# KiCad board panel.kicad_pcb
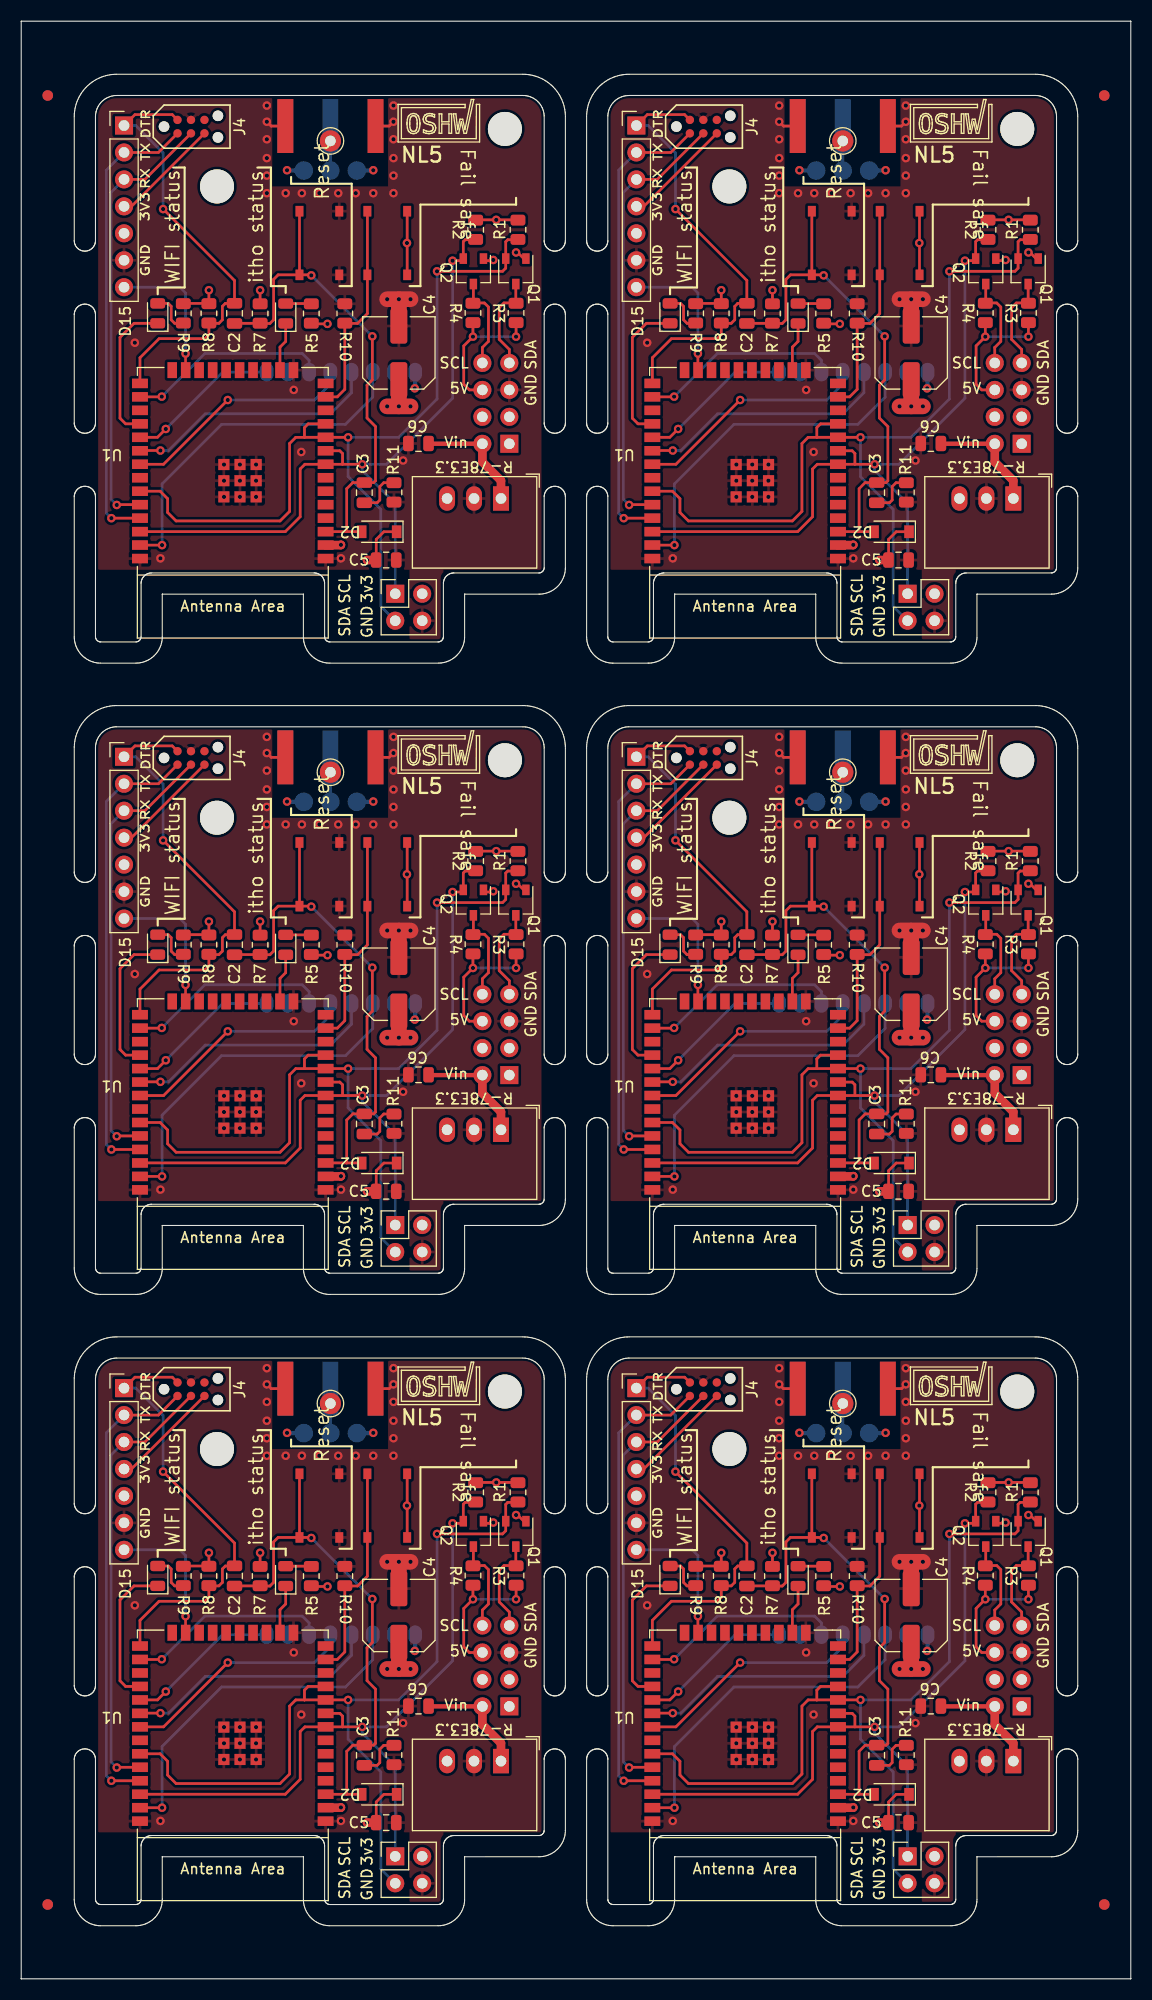
[diagram p0: board, top side]
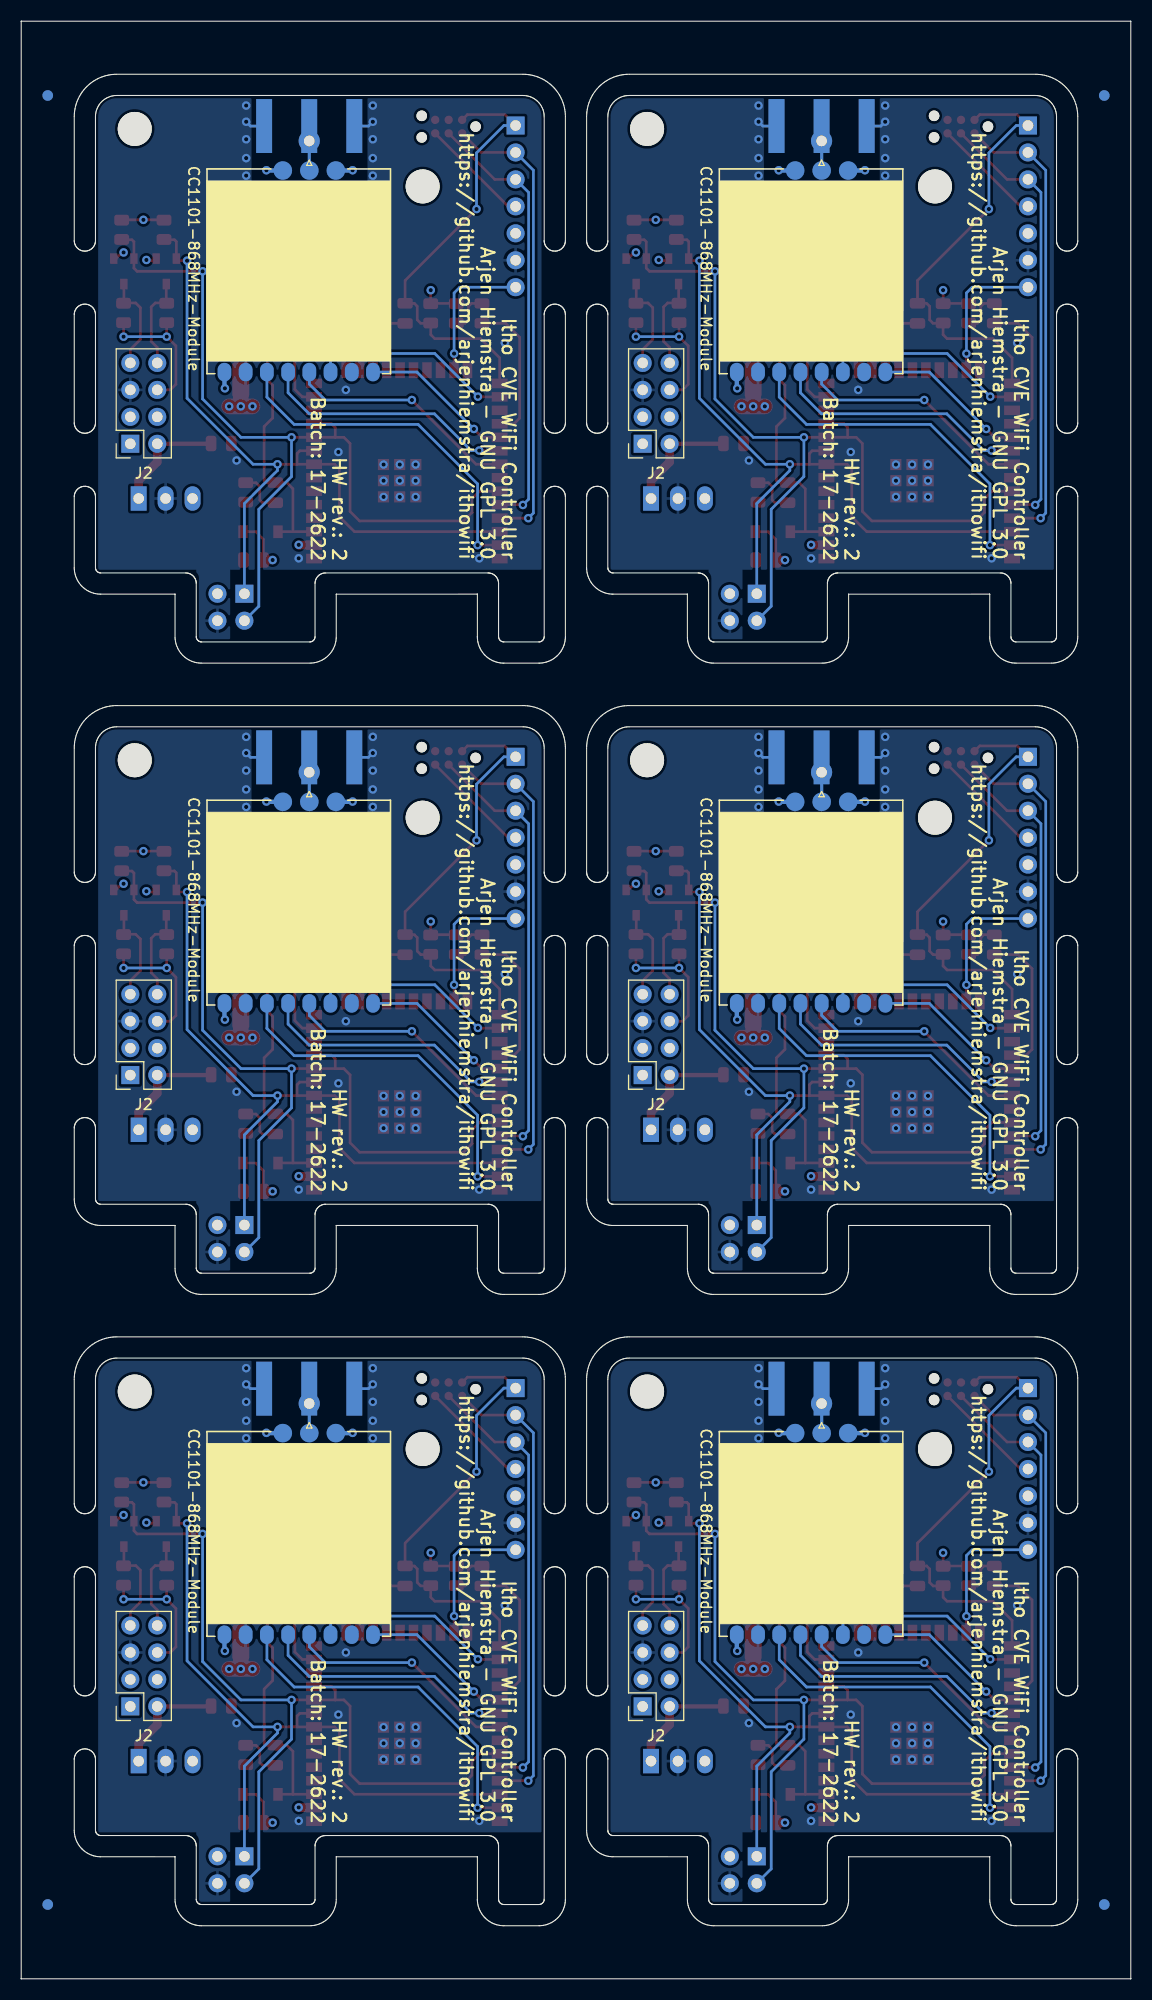
[diagram p1: board, bottom side, seen from below]

Outline 104.6 x 184.5 mm; copper layers: Top, In1.Cu, In2.Cu, Bottom. Coordinates in mm from the lower left corner of the outline.

## Placement (name value [footprint] x y rotation side)
C2  1uF  [C_0805_2012Metric]  68.41 156.97 90 top
C2#2  1uF  [C_0805_2012Metric]  20.11 156.97 90 top
C2#3  1uF  [C_0805_2012Metric]  20.11 97.47 90 top
C2#4  1uF  [C_0805_2012Metric]  68.41 97.47 90 top
C2#5  1uF  [C_0805_2012Metric]  68.41 37.97 90 top
C2#6  1uF  [C_0805_2012Metric]  20.11 37.97 90 top
C3  10uF  [C_0805_2012Metric]  80.65 21.07 90 top
C3#2  10uF  [C_0805_2012Metric]  80.65 80.57 90 top
C3#3  10uF  [C_0805_2012Metric]  80.65 140.07 90 top
C3#4  10uF  [C_0805_2012Metric]  32.35 21.07 90 top
C3#5  10uF  [C_0805_2012Metric]  32.35 80.57 90 top
C3#6  10uF  [C_0805_2012Metric]  32.35 140.07 90 top
C4  470uF  [C_Elec_6.3x7.7]  83.9 153.24 90 top
C4#2  470uF  [C_Elec_6.3x7.7]  35.6 34.24 90 top
C4#3  470uF  [C_Elec_6.3x7.7]  35.6 153.24 90 top
C4#4  470uF  [C_Elec_6.3x7.7]  35.6 93.74 90 top
C4#5  470uF  [C_Elec_6.3x7.7]  83.9 93.74 90 top
C4#6  470uF  [C_Elec_6.3x7.7]  83.9 34.24 90 top
C5  0.1uF  [C_0805_2012Metric]  82.7 133.72 0 top
C5#2  0.1uF  [C_0805_2012Metric]  82.7 74.22 0 top
C5#3  0.1uF  [C_0805_2012Metric]  34.4 74.22 0 top
C5#4  0.1uF  [C_0805_2012Metric]  34.4 14.72 0 top
C5#5  0.1uF  [C_0805_2012Metric]  82.7 14.72 0 top
C5#6  0.1uF  [C_0805_2012Metric]  34.4 133.72 0 top
C6  10uF  [C_0805_2012Metric]  85.75 144.7 180 top
C6#2  10uF  [C_0805_2012Metric]  37.45 25.7 180 top
C6#3  10uF  [C_0805_2012Metric]  37.45 144.7 180 top
C6#4  10uF  [C_0805_2012Metric]  85.75 85.2 180 top
C6#5  10uF  [C_0805_2012Metric]  85.75 25.7 180 top
C6#6  10uF  [C_0805_2012Metric]  37.45 85.2 180 top
D2  D_Schottky  [D_SOD-123]  33.74 136.38 180 top
D2#2  D_Schottky  [D_SOD-123]  82.04 17.38 180 top
D2#3  D_Schottky  [D_SOD-123]  33.74 76.88 180 top
D2#4  D_Schottky  [D_SOD-123]  33.74 17.38 180 top
D2#5  D_Schottky  [D_SOD-123]  82.04 76.88 180 top
D2#6  D_Schottky  [D_SOD-123]  82.04 136.38 180 top
H1  MountingHole_Pad  [Pin_D1.0mm_L10.0mm]  77.45 113.72 0 top
H1#2  MountingHole_Pad  [Pin_D1.0mm_L10.0mm]  29.15 54.22 0 top
H1#3  MountingHole_Pad  [Pin_D1.0mm_L10.0mm]  77.45 54.22 0 top
H1#4  MountingHole_Pad  [Pin_D1.0mm_L10.0mm]  29.15 113.72 0 top
H1#5  MountingHole_Pad  [Pin_D1.0mm_L10.0mm]  77.45 173.22 0 top
H1#6  MountingHole_Pad  [Pin_D1.0mm_L10.0mm]  29.15 173.22 0 top
H2  MountingHole  [MountingHole_2.5mm]  66.76 109.43 0 top
H2#2  MountingHole  [MountingHole_2.5mm]  18.46 168.93 0 top
H2#3  MountingHole  [MountingHole_2.5mm]  18.46 109.43 0 top
H2#4  MountingHole  [MountingHole_2.5mm]  66.76 168.93 0 top
H2#5  MountingHole  [MountingHole_2.5mm]  66.76 49.93 0 top
H2#6  MountingHole  [MountingHole_2.5mm]  18.46 49.93 0 top
H3  MountingHole  [MountingHole_2.5mm]  45.6 174.35 0 top
H3#2  MountingHole  [MountingHole_2.5mm]  93.9 114.85 0 top
H3#3  MountingHole  [MountingHole_2.5mm]  93.9 55.35 0 top
H3#4  MountingHole  [MountingHole_2.5mm]  45.6 55.35 0 top
H3#5  MountingHole  [MountingHole_2.5mm]  45.6 114.85 0 top
H3#6  MountingHole  [MountingHole_2.5mm]  93.9 174.35 0 top
J1  CONN_01X07  [PinHeader_1x07_P2.54mm_Vertical]  57.99 55.67 0 top
J1#2  CONN_01X07  [PinHeader_1x07_P2.54mm_Vertical]  57.99 174.67 0 top
J1#3  CONN_01X07  [PinHeader_1x07_P2.54mm_Vertical]  9.69 55.67 0 top
J1#4  CONN_01X07  [PinHeader_1x07_P2.54mm_Vertical]  9.69 115.17 0 top
J1#5  CONN_01X07  [PinHeader_1x07_P2.54mm_Vertical]  9.69 174.67 0 top
J1#6  CONN_01X07  [PinHeader_1x07_P2.54mm_Vertical]  57.99 115.17 0 top
J2  conn  [PinSocket_2x04_P2.54mm_Vertical]  94.31 144.67 0 bottom
J2#2  conn  [PinSocket_2x04_P2.54mm_Vertical]  94.31 25.67 0 bottom
J2#3  conn  [PinSocket_2x04_P2.54mm_Vertical]  94.31 85.17 0 bottom
J2#4  conn  [PinSocket_2x04_P2.54mm_Vertical]  46.02 85.17 0 bottom
J2#5  conn  [PinSocket_2x04_P2.54mm_Vertical]  46.02 25.67 0 bottom
J2#6  conn  [PinSocket_2x04_P2.54mm_Vertical]  46.02 144.67 0 bottom
J3  Conn_Coaxial  [SMA_Amphenol_132289_EdgeMount]  29.15 115.12 90 bottom
J3#2  Conn_Coaxial  [SMA_Amphenol_132289_EdgeMount]  77.45 115.12 90 bottom
J3#3  Conn_Coaxial  [SMA_Amphenol_132289_EdgeMount]  77.45 55.62 90 bottom
J3#4  Conn_Coaxial  [SMA_Amphenol_132289_EdgeMount]  77.45 174.62 90 bottom
J3#5  Conn_Coaxial  [SMA_Amphenol_132289_EdgeMount]  29.15 55.62 90 bottom
J3#6  Conn_Coaxial  [SMA_Amphenol_132289_EdgeMount]  29.15 174.62 90 bottom
J4  TC2030-MCP-NL  [TC2020-MCP-NL]  64.3 174.57 90 top
J4#2  TC2030-MCP-NL  [TC2020-MCP-NL]  16 115.07 90 top
J4#3  TC2030-MCP-NL  [TC2020-MCP-NL]  64.3 55.57 90 top
J4#4  TC2030-MCP-NL  [TC2020-MCP-NL]  16 55.57 90 top
J4#5  TC2030-MCP-NL  [TC2020-MCP-NL]  64.3 115.07 90 top
J4#6  TC2030-MCP-NL  [TC2020-MCP-NL]  16 174.57 90 top
J5  Conn_02x02_Odd_Even  [PinHeader_2x02_P2.54mm_Vertical]  83.56 11.54 0 top
J5#2  Conn_02x02_Odd_Even  [PinHeader_2x02_P2.54mm_Vertical]  83.56 130.54 0 top
J5#3  Conn_02x02_Odd_Even  [PinHeader_2x02_P2.54mm_Vertical]  83.56 71.04 0 top
J5#4  Conn_02x02_Odd_Even  [PinHeader_2x02_P2.54mm_Vertical]  35.26 11.54 0 top
J5#5  Conn_02x02_Odd_Even  [PinHeader_2x02_P2.54mm_Vertical]  35.26 71.04 0 top
J5#6  Conn_02x02_Odd_Even  [PinHeader_2x02_P2.54mm_Vertical]  35.26 130.54 0 top
LED1  WIFI status  [LED_0805_2012Metric]  61.17 156.97 90 top
LED1#2  WIFI status  [LED_0805_2012Metric]  12.87 97.47 90 top
LED1#3  WIFI status  [LED_0805_2012Metric]  12.87 37.97 90 top
LED1#4  WIFI status  [LED_0805_2012Metric]  61.17 37.97 90 top
LED1#5  WIFI status  [LED_0805_2012Metric]  12.87 156.97 90 top
LED1#6  WIFI status  [LED_0805_2012Metric]  61.17 97.47 90 top
LED2  itho status  [LED_0805_2012Metric]  73.23 37.95 90 top
LED2#2  itho status  [LED_0805_2012Metric]  24.93 156.95 90 top
LED2#3  itho status  [LED_0805_2012Metric]  73.23 97.45 90 top
LED2#4  itho status  [LED_0805_2012Metric]  73.23 156.95 90 top
LED2#5  itho status  [LED_0805_2012Metric]  24.93 97.45 90 top
LED2#6  itho status  [LED_0805_2012Metric]  24.93 37.95 90 top
Q1  BSS138  [SOT-23W]  46.62 41.93 270 top
Q1#2  BSS138  [SOT-23W]  46.62 160.93 270 top
Q1#3  BSS138  [SOT-23W]  94.92 160.93 270 top
Q1#4  BSS138  [SOT-23W]  46.62 101.43 270 top
Q1#5  BSS138  [SOT-23W]  94.92 101.43 270 top
Q1#6  BSS138  [SOT-23W]  94.92 41.93 270 top
Q2  BSS138  [SOT-23W]  90.93 101.43 270 top
Q2#2  BSS138  [SOT-23W]  90.93 41.93 270 top
Q2#3  BSS138  [SOT-23W]  42.63 160.93 270 top
Q2#4  BSS138  [SOT-23W]  42.63 101.43 270 top
Q2#5  BSS138  [SOT-23W]  42.63 41.93 270 top
Q2#6  BSS138  [SOT-23W]  90.93 160.93 270 top
R1  R10K  [R_0805_2012Metric]  95.13 164.84 90 top
R1#2  R10K  [R_0805_2012Metric]  95.13 105.34 90 top
R1#3  R10K  [R_0805_2012Metric]  46.83 164.84 90 top
R1#4  R10K  [R_0805_2012Metric]  95.13 45.84 90 top
R1#5  R10K  [R_0805_2012Metric]  46.83 45.84 90 top
R1#6  R10K  [R_0805_2012Metric]  46.83 105.34 90 top
R2  R10K  [R_0805_2012Metric]  91.14 105.34 270 top
R2#2  R10K  [R_0805_2012Metric]  42.84 105.34 270 top
R2#3  R10K  [R_0805_2012Metric]  42.84 164.84 270 top
R2#4  R10K  [R_0805_2012Metric]  91.14 164.84 270 top
R2#5  R10K  [R_0805_2012Metric]  42.84 45.84 270 top
R2#6  R10K  [R_0805_2012Metric]  91.14 45.84 270 top
R3  R10K  [R_0805_2012Metric]  94.95 97.51 270 top
R3#2  R10K  [R_0805_2012Metric]  94.95 157.01 270 top
R3#3  R10K  [R_0805_2012Metric]  46.65 97.51 270 top
R3#4  R10K  [R_0805_2012Metric]  94.95 38.01 270 top
R3#5  R10K  [R_0805_2012Metric]  46.65 38.01 270 top
R3#6  R10K  [R_0805_2012Metric]  46.65 157.01 270 top
R4  R10K  [R_0805_2012Metric]  42.59 97.51 270 top
R4#2  R10K  [R_0805_2012Metric]  90.89 157.01 270 top
R4#3  R10K  [R_0805_2012Metric]  42.59 38.01 270 top
R4#4  R10K  [R_0805_2012Metric]  42.59 157.01 270 top
R4#5  R10K  [R_0805_2012Metric]  90.89 38.01 270 top
R4#6  R10K  [R_0805_2012Metric]  90.89 97.51 270 top
R5  R100  [R_0805_2012Metric]  75.65 37.95 90 top
R5#2  R100  [R_0805_2012Metric]  27.35 156.95 90 top
R5#3  R100  [R_0805_2012Metric]  75.65 97.45 90 top
R5#4  R100  [R_0805_2012Metric]  75.65 156.95 90 top
R5#5  R100  [R_0805_2012Metric]  27.35 37.95 90 top
R5#6  R100  [R_0805_2012Metric]  27.35 97.45 90 top
R7  R10K  [R_0805_2012Metric]  22.52 37.95 90 top
R7#2  R10K  [R_0805_2012Metric]  70.82 37.95 90 top
R7#3  R10K  [R_0805_2012Metric]  22.52 97.45 90 top
R7#4  R10K  [R_0805_2012Metric]  22.52 156.95 90 top
R7#5  R10K  [R_0805_2012Metric]  70.82 97.45 90 top
R7#6  R10K  [R_0805_2012Metric]  70.82 156.95 90 top
R8  R10K  [R_0805_2012Metric]  17.69 156.97 90 top
R8#2  R10K  [R_0805_2012Metric]  17.69 97.47 90 top
R8#3  R10K  [R_0805_2012Metric]  65.99 37.97 90 top
R8#4  R10K  [R_0805_2012Metric]  17.69 37.97 90 top
R8#5  R10K  [R_0805_2012Metric]  65.99 156.97 90 top
R8#6  R10K  [R_0805_2012Metric]  65.99 97.47 90 top
R9  R100  [R_0805_2012Metric]  63.58 97.47 270 top
R9#2  R100  [R_0805_2012Metric]  15.28 37.97 270 top
R9#3  R100  [R_0805_2012Metric]  15.28 156.97 270 top
R9#4  R100  [R_0805_2012Metric]  15.28 97.47 270 top
R9#5  R100  [R_0805_2012Metric]  63.58 37.97 270 top
R9#6  R100  [R_0805_2012Metric]  63.58 156.97 270 top
R10  R10K  [R_0805_2012Metric]  30.5 97.46 270 top
R10#2  R10K  [R_0805_2012Metric]  78.8 37.96 270 top
R10#3  R10K  [R_0805_2012Metric]  30.5 156.96 270 top
R10#4  R10K  [R_0805_2012Metric]  78.8 97.46 270 top
R10#5  R10K  [R_0805_2012Metric]  30.5 37.96 270 top
R10#6  R10K  [R_0805_2012Metric]  78.8 156.96 270 top
R11  R1K  [R_0805_2012Metric]  35.14 80.59 90 top
R11#2  R1K  [R_0805_2012Metric]  83.44 80.59 90 top
R11#3  R1K  [R_0805_2012Metric]  35.14 21.09 90 top
R11#4  R1K  [R_0805_2012Metric]  35.14 140.09 90 top
R11#5  R1K  [R_0805_2012Metric]  83.44 140.09 90 top
R11#6  R1K  [R_0805_2012Metric]  83.44 21.09 90 top
R-78E3.3  U2  [Converter_DCDC_RECOM_R-78E-0.5_THT]  45.23 139.52 180 top
R-78E3.3#2  U2  [Converter_DCDC_RECOM_R-78E-0.5_THT]  45.23 80.02 180 top
R-78E3.3#3  U2  [Converter_DCDC_RECOM_R-78E-0.5_THT]  93.53 139.52 180 top
R-78E3.3#4  U2  [Converter_DCDC_RECOM_R-78E-0.5_THT]  93.53 20.52 180 top
R-78E3.3#5  U2  [Converter_DCDC_RECOM_R-78E-0.5_THT]  93.53 80.02 180 top
R-78E3.3#6  U2  [Converter_DCDC_RECOM_R-78E-0.5_THT]  45.23 20.52 180 top
REF**  -  [Fiducial]  102.1 177.5 0 top
REF**#2  -  [Fiducial]  2.5 177.5 0 top
REF**#3  -  [Fiducial]  102.1 7 0 top
REF**#4  -  [Fiducial]  2.5 7 0 top
REF**#5  -  [Fiducial]  102.1 177.5 0 bottom
REF**#6  -  [Fiducial]  2.5 7 0 bottom
REF**#7  -  [Fiducial]  2.5 177.5 0 bottom
REF**#8  -  [Fiducial]  102.1 7 0 bottom
SW1  Fail safe  [TS-1187]  82.81 44.6 270 top
SW1#2  Fail safe  [TS-1187]  82.81 163.6 270 top
SW1#3  Fail safe  [TS-1187]  34.51 104.1 270 top
SW1#4  Fail safe  [TS-1187]  82.81 104.1 270 top
SW1#5  Fail safe  [TS-1187]  34.51 163.6 270 top
SW1#6  Fail safe  [TS-1187]  34.51 44.6 270 top
SW2  Reset  [TS-1187]  76.41 163.6 90 top
SW2#2  Reset  [TS-1187]  76.41 44.6 90 top
SW2#3  Reset  [TS-1187]  76.41 104.1 90 top
SW2#4  Reset  [TS-1187]  28.11 44.6 90 top
SW2#5  Reset  [TS-1187]  28.11 163.6 90 top
SW2#6  Reset  [TS-1187]  28.11 104.1 90 top
U1  ESP32-WROOM  [ESP32-WROOM-32E]  68.25 81.36 180 top
U1#2  ESP32-WROOM  [ESP32-WROOM-32E]  68.25 140.86 180 top
U1#3  ESP32-WROOM  [ESP32-WROOM-32E]  68.25 21.86 180 top
U1#4  ESP32-WROOM  [ESP32-WROOM-32E]  19.95 21.86 180 top
U1#5  ESP32-WROOM  [ESP32-WROOM-32E]  19.95 81.36 180 top
U1#6  ESP32-WROOM  [ESP32-WROOM-32E]  19.95 140.86 180 top
U2  -  [CC1101-868MHz-Module]  78.44 101.43 90 bottom
U2#2  -  [CC1101-868MHz-Module]  30.14 41.93 90 bottom
U2#3  -  [CC1101-868MHz-Module]  30.14 101.43 90 bottom
U2#4  -  [CC1101-868MHz-Module]  78.44 41.93 90 bottom
U2#5  -  [CC1101-868MHz-Module]  30.14 160.93 90 bottom
U2#6  -  [CC1101-868MHz-Module]  78.44 160.93 90 bottom

## Library data of the parts
C2 C2#2-C2#6 C3 C3#2-C3#6 = -: LCSC: C28323
C4 C4#2-C4#6 = -: LCSC: C134738
C5 C5#2-C5#6 = -: LCSC: C49678
C6 C6#2-C6#6 = -: LCSC: C110053
LED1 LED1#2-LED1#6 LED2 LED2#2-LED2#6 = -: LCSC: C2293
Q1 Q1#2-Q1#6 Q2 Q2#2-Q2#6 = -: LCSC: C170166
R1 R1#2-R1#6 R2 R2#2-R2#6 R3 R3#2-R3#6 R4 R4#2-R4#6 R7 R7#2-R7#6 R8 R8#2-R8#6 R10 R10#2-R10#6 R11 R11#2-R11#6 = -: LCSC: C17414
R5 R5#2-R5#6 R9 R9#2-R9#6 = -: LCSC: C17408
SW1 SW1#2-SW1#6 SW2 SW2#2-SW2#6 = -: LCSC: C92589
U1 U1#2-U1#6 = -: LCSC: C473012

## Footprints (pads in the part's own frame, mm; a bottom-side part is the same pattern mirrored in y, then rotated)
C_0805_2012Metric
  rrect 1x1.45 smd: 1(-0.95,0) 2(0.95,0)
C_Elec_6.3x7.7
  rrect 3.325x1.6 smd: 1(-2.538,0) 2(2.538,0)
CC1101-868MHz-Module
  oval 1.75x1.3 smd: 1(-9.5,7) 2(-9.5,5) 3(-9.5,3) 4(-9.5,1) 5(-9.5,-1) 6(-9.5,-3) 7(-9.5,-5) 8(-9.5,-7)
  round 1.75 smd: 9(9.5,-3.5) 10(9.5,-1) 11(9.5,1.5)
Converter_DCDC_RECOM_R-78E-0.5_THT
  rect 1.5x2.3 hole 1: 1(0,0)
  oval 1.5x2.3 hole 1: 2(2.54,0) 3(5.08,0)
D_SOD-123
  rect 0.9x1.2 smd: 1(-1.65,0) 2(1.65,0)
ESP32-WROOM-32E
  rect 1.5x0.9 smd: 1(-8.75,7.01) 2(-8.75,5.74) 3(-8.75,4.47) 4(-8.75,3.2) 5(-8.75,1.93) 6(-8.75,0.66) 7(-8.75,-0.61) 8(-8.75,-1.88) 9(-8.75,-3.15) 10(-8.75,-4.42) 11(-8.75,-5.69) 12(-8.75,-6.96) 13(-8.75,-8.23) 14(-8.75,-9.5) 25(8.75,-9.5) 26(8.75,-8.23) 27(8.75,-6.96) 28(8.75,-5.69) 29(8.75,-4.42) 30(8.75,-3.15) 31(8.75,-1.88) 32(8.75,-0.61) 33(8.75,0.66) 34(8.75,1.93) 35(8.75,3.2) 36(8.75,4.47) 37(8.75,5.74) 38(8.75,7.01)
  rect 0.9x1.5 smd: 15(-5.72,-10.75) 16(-4.45,-10.75) 17(-3.18,-10.75) 18(-1.91,-10.75) 19(-0.64,-10.75) 20(0.63,-10.75) 21(1.9,-10.75) 22(3.17,-10.75) 23(4.44,-10.75) 24(5.71,-10.75)
  rect 1.05x1.05 smd: 39(-2.205,1.195) 39(-2.205,-0.33) 39(-2.205,-1.855) 39(-0.68,1.195) 39(-0.68,-0.33) 39(-0.68,-1.855) 39(0.845,1.195) 39(0.845,-0.33) 39(0.845,-1.855)
Fiducial
  round 1 smd: (0,0)
LED_0805_2012Metric
  rrect 0.975x1.4 smd: 1(-0.938,0) 2(0.938,0)
MountingHole_2.5mm
  round 3.2 hole 3.2 unplated: (0,0)
Pin_D1.0mm_L10.0mm
  round 2 hole 1: 1(0,0)
PinHeader_1x07_P2.54mm_Vertical
  rect 1.7x1.7 hole 1: 1(0,0)
  oval 1.7x1.7 hole 1: 2(0,-2.54) 3(0,-5.08) 4(0,-7.62) 5(0,-10.16) 6(0,-12.7) 7(0,-15.24)
PinHeader_2x02_P2.54mm_Vertical
  rect 1.7x1.7 hole 1: 1(0,0)
  oval 1.7x1.7 hole 1: 2(2.54,0) 3(0,-2.54) 4(2.54,-2.54)
PinSocket_2x04_P2.54mm_Vertical
  rect 1.7x1.7 hole 1: 1(0,0)
  oval 1.7x1.7 hole 1: 2(-2.54,0) 3(0,-2.54) 4(-2.54,-2.54) 5(0,-5.08) 6(-2.54,-5.08) 7(0,-7.62) 8(-2.54,-7.62)
R_0805_2012Metric
  rrect 1.025x1.4 smd: 1(-0.912,0) 2(0.912,0)
SMA_Amphenol_132289_EdgeMount
  rect 5.08x1.5 smd: 1(0,0) 2(0,-4.25) 2(0,4.25)
  rect 5.08x1.5 smd far side: 2(0,-4.25) 2(0,4.25)
SOT-23W
  rect 1x0.7 smd: 1(-1.2,0.95) 2(-1.2,-0.95) 3(1.2,0)
TC2020-MCP-NL
  round 0.991 hole 0.991 unplated: (-1.016,-2.54) (0,2.54) (1.016,-2.54)
  round 0.787 smd: 1(-0.635,1.27) 2(0.635,1.27) 3(-0.635,0) 4(0.635,0) 5(-0.635,-1.27) 6(0.635,-1.27)
TS-1187
  rect 1x0.75 smd: 1(-3,-1.875) 1(3,-1.875) 2(-3,1.875) 2(3,1.875)

## Nets
Board_0-+3V3: C4#3.1 C5#6.1 D2.1 J1#5.4 J4#6.5 J5#6.2 Q1#2.1 Q2#3.1 R1#3.2 R2#3.1 R5#2.1 R7#4.2 R8.2 R9#3.1 R-78E3.3.3 SW1#5.2 U1#6.2 U2#5.1
Board_0-+5V: J2#6.6 R3#6.2 R4#4.2
Board_0-+15V: C6#3.1 J2#6.2 R-78E3.3.1
Board_0-D0: C2#2.2 J1#5.1 J4#6.2 R8.1 U1#6.25
Board_0-D0/RX0: J1#5.3 J4#6.3 U1#6.34
Board_0-D1/TX0: J1#5.2 J4#6.1 U1#6.35
Board_0-D4_IRQ: U1#6.26 U2#5.6
Board_0-D5_SS: U1#6.29 U2#5.8
Board_0-D13: LED2#2.1 U1#6.16
Board_0-D15: J1#5.7 U1#6.23
Board_0-D17: LED1#5.1 U1#6.28
Board_0-D18_SCK: U1#6.30 U2#5.4
Board_0-D19_MISO: U1#6.31 U2#5.5
Board_0-D23_MOSI: U1#6.37 U2#5.3
Board_0-GND: C4#3.2 C5#6.2 C6#3.2 J1#5.6 J2#6.5 J3#6.2 J4#6.4 J5#6.4 R10#3.1 R11#4.1 R-78E3.3.2 SW2#5.1 U1#6.1 U1#6.15 U1#6.38 U1#6.39 U2#5.2 U2#5.9 U2#5.11
Board_0-Net-(C2-Pad1): C2#2.1 C3#6.2 D2.2 R7#4.1 SW2#5.2 U1#6.3
Board_0-Net-(C3-Pad1): C3#6.1 R11#4.2
Board_0-Net-(H1-Pad1): H1#6.1 J3#6.1 U2#5.10
Board_0-Net-(LED1-Pad2): LED1#5.2 R9#3.2
Board_0-Net-(LED2-Pad2): LED2#2.2 R5#2.2
Board_0-Net-(R10-Pad2): R10#3.2 SW1#5.1 U1#6.13
Board_0-SCL: J2#6.8 Q2#3.3 R4#4.1
Board_0-SCL_L: J5#6.1 Q2#3.2 R2#3.2 U1#6.8 U1#6.9 U1#6.36
Board_0-SDA: J2#6.7 Q1#2.3 R3#6.1
Board_0-SDA_L: J5#6.3 Q1#2.2 R1#3.1 U1#6.10 U1#6.11 U1#6.33
Board_0-unconnected-(J1-Pad5): J1#5.5
Board_0-unconnected-(J2-Pad1): J2#6.1
Board_0-unconnected-(J2-Pad3): J2#6.3
Board_0-unconnected-(J2-Pad4): J2#6.4
Board_0-unconnected-(J4-Pad6): J4#6.6
Board_0-unconnected-(U1-Pad4): U1#6.4
Board_0-unconnected-(U1-Pad5): U1#6.5
Board_0-unconnected-(U1-Pad6): U1#6.6
Board_0-unconnected-(U1-Pad7): U1#6.7
Board_0-unconnected-(U1-Pad12): U1#6.12
Board_0-unconnected-(U1-Pad14): U1#6.14
Board_0-unconnected-(U1-Pad17): U1#6.17
Board_0-unconnected-(U1-Pad18): U1#6.18
Board_0-unconnected-(U1-Pad19): U1#6.19
Board_0-unconnected-(U1-Pad20): U1#6.20
Board_0-unconnected-(U1-Pad21): U1#6.21
Board_0-unconnected-(U1-Pad22): U1#6.22
Board_0-unconnected-(U1-Pad24): U1#6.24
Board_0-unconnected-(U1-Pad27): U1#6.27
Board_0-unconnected-(U1-Pad32): U1#6.32
Board_0-unconnected-(U2-Pad7): U2#5.7
Board_1-+3V3: C4.1 C5.1 D2#6.1 J1#2.4 J4.5 J5#2.2 Q1#3.1 Q2#6.1 R1.2 R2#4.1 R5#4.1 R7#6.2 R8#5.2 R9#6.1 R-78E3.3#3.3 SW1#2.2 U1#2.2 U2#6.1
Board_1-+5V: J2.6 R3#2.2 R4#2.2
Board_1-+15V: C6.1 J2.2 R-78E3.3#3.1
Board_1-D0: C2.2 J1#2.1 J4.2 R8#5.1 U1#2.25
Board_1-D0/RX0: J1#2.3 J4.3 U1#2.34
Board_1-D1/TX0: J1#2.2 J4.1 U1#2.35
Board_1-D4_IRQ: U1#2.26 U2#6.6
Board_1-D5_SS: U1#2.29 U2#6.8
Board_1-D13: LED2#4.1 U1#2.16
Board_1-D15: J1#2.7 U1#2.23
Board_1-D17: LED1.1 U1#2.28
Board_1-D18_SCK: U1#2.30 U2#6.4
Board_1-D19_MISO: U1#2.31 U2#6.5
Board_1-D23_MOSI: U1#2.37 U2#6.3
Board_1-GND: C4.2 C5.2 C6.2 J1#2.6 J2.5 J3#4.2 J4.4 J5#2.4 R10#6.1 R11#5.1 R-78E3.3#3.2 SW2.1 U1#2.1 U1#2.15 U1#2.38 U1#2.39 U2#6.2 U2#6.9 U2#6.11
Board_1-Net-(C2-Pad1): C2.1 C3#3.2 D2#6.2 R7#6.1 SW2.2 U1#2.3
Board_1-Net-(C3-Pad1): C3#3.1 R11#5.2
Board_1-Net-(H1-Pad1): H1#5.1 J3#4.1 U2#6.10
Board_1-Net-(LED1-Pad2): LED1.2 R9#6.2
Board_1-Net-(LED2-Pad2): LED2#4.2 R5#4.2
Board_1-Net-(R10-Pad2): R10#6.2 SW1#2.1 U1#2.13
Board_1-SCL: J2.8 Q2#6.3 R4#2.1
Board_1-SCL_L: J5#2.1 Q2#6.2 R2#4.2 U1#2.8 U1#2.9 U1#2.36
Board_1-SDA: J2.7 Q1#3.3 R3#2.1
Board_1-SDA_L: J5#2.3 Q1#3.2 R1.1 U1#2.10 U1#2.11 U1#2.33
Board_1-unconnected-(J1-Pad5): J1#2.5
Board_1-unconnected-(J2-Pad1): J2.1
Board_1-unconnected-(J2-Pad3): J2.3
Board_1-unconnected-(J2-Pad4): J2.4
Board_1-unconnected-(J4-Pad6): J4.6
Board_1-unconnected-(U1-Pad4): U1#2.4
Board_1-unconnected-(U1-Pad5): U1#2.5
Board_1-unconnected-(U1-Pad6): U1#2.6
Board_1-unconnected-(U1-Pad7): U1#2.7
Board_1-unconnected-(U1-Pad12): U1#2.12
Board_1-unconnected-(U1-Pad14): U1#2.14
Board_1-unconnected-(U1-Pad17): U1#2.17
Board_1-unconnected-(U1-Pad18): U1#2.18
Board_1-unconnected-(U1-Pad19): U1#2.19
Board_1-unconnected-(U1-Pad20): U1#2.20
Board_1-unconnected-(U1-Pad21): U1#2.21
Board_1-unconnected-(U1-Pad22): U1#2.22
Board_1-unconnected-(U1-Pad24): U1#2.24
Board_1-unconnected-(U1-Pad27): U1#2.27
Board_1-unconnected-(U1-Pad32): U1#2.32
Board_1-unconnected-(U2-Pad7): U2#6.7
Board_2-+3V3: C4#4.1 C5#3.1 D2#3.1 J1#4.4 J4#2.5 J5#5.2 Q1#4.1 Q2#4.1 R1#6.2 R2#2.1 R5#6.1 R7#3.2 R8#2.2 R9#4.1 R-78E3.3#2.3 SW1#3.2 U1#5.2 U2#3.1
Board_2-+5V: J2#4.6 R3#3.2 R4.2
Board_2-+15V: C6#6.1 J2#4.2 R-78E3.3#2.1
Board_2-D0: C2#3.2 J1#4.1 J4#2.2 R8#2.1 U1#5.25
Board_2-D0/RX0: J1#4.3 J4#2.3 U1#5.34
Board_2-D1/TX0: J1#4.2 J4#2.1 U1#5.35
Board_2-D4_IRQ: U1#5.26 U2#3.6
Board_2-D5_SS: U1#5.29 U2#3.8
Board_2-D13: LED2#5.1 U1#5.16
Board_2-D15: J1#4.7 U1#5.23
Board_2-D17: LED1#2.1 U1#5.28
Board_2-D18_SCK: U1#5.30 U2#3.4
Board_2-D19_MISO: U1#5.31 U2#3.5
Board_2-D23_MOSI: U1#5.37 U2#3.3
Board_2-GND: C4#4.2 C5#3.2 C6#6.2 J1#4.6 J2#4.5 J3.2 J4#2.4 J5#5.4 R10.1 R11.1 R-78E3.3#2.2 SW2#6.1 U1#5.1 U1#5.15 U1#5.38 U1#5.39 U2#3.2 U2#3.9 U2#3.11
Board_2-Net-(C2-Pad1): C2#3.1 C3#5.2 D2#3.2 R7#3.1 SW2#6.2 U1#5.3
Board_2-Net-(C3-Pad1): C3#5.1 R11.2
Board_2-Net-(H1-Pad1): H1#4.1 J3.1 U2#3.10
Board_2-Net-(LED1-Pad2): LED1#2.2 R9#4.2
Board_2-Net-(LED2-Pad2): LED2#5.2 R5#6.2
Board_2-Net-(R10-Pad2): R10.2 SW1#3.1 U1#5.13
Board_2-SCL: J2#4.8 Q2#4.3 R4.1
Board_2-SCL_L: J5#5.1 Q2#4.2 R2#2.2 U1#5.8 U1#5.9 U1#5.36
Board_2-SDA: J2#4.7 Q1#4.3 R3#3.1
Board_2-SDA_L: J5#5.3 Q1#4.2 R1#6.1 U1#5.10 U1#5.11 U1#5.33
Board_2-unconnected-(J1-Pad5): J1#4.5
Board_2-unconnected-(J2-Pad1): J2#4.1
Board_2-unconnected-(J2-Pad3): J2#4.3
Board_2-unconnected-(J2-Pad4): J2#4.4
Board_2-unconnected-(J4-Pad6): J4#2.6
Board_2-unconnected-(U1-Pad4): U1#5.4
Board_2-unconnected-(U1-Pad5): U1#5.5
Board_2-unconnected-(U1-Pad6): U1#5.6
Board_2-unconnected-(U1-Pad7): U1#5.7
Board_2-unconnected-(U1-Pad12): U1#5.12
Board_2-unconnected-(U1-Pad14): U1#5.14
Board_2-unconnected-(U1-Pad17): U1#5.17
Board_2-unconnected-(U1-Pad18): U1#5.18
Board_2-unconnected-(U1-Pad19): U1#5.19
Board_2-unconnected-(U1-Pad20): U1#5.20
Board_2-unconnected-(U1-Pad21): U1#5.21
Board_2-unconnected-(U1-Pad22): U1#5.22
Board_2-unconnected-(U1-Pad24): U1#5.24
Board_2-unconnected-(U1-Pad27): U1#5.27
Board_2-unconnected-(U1-Pad32): U1#5.32